# Altium PCB AD-FMComms3_revA.PcbDoc (part 1 of 5) (continued)
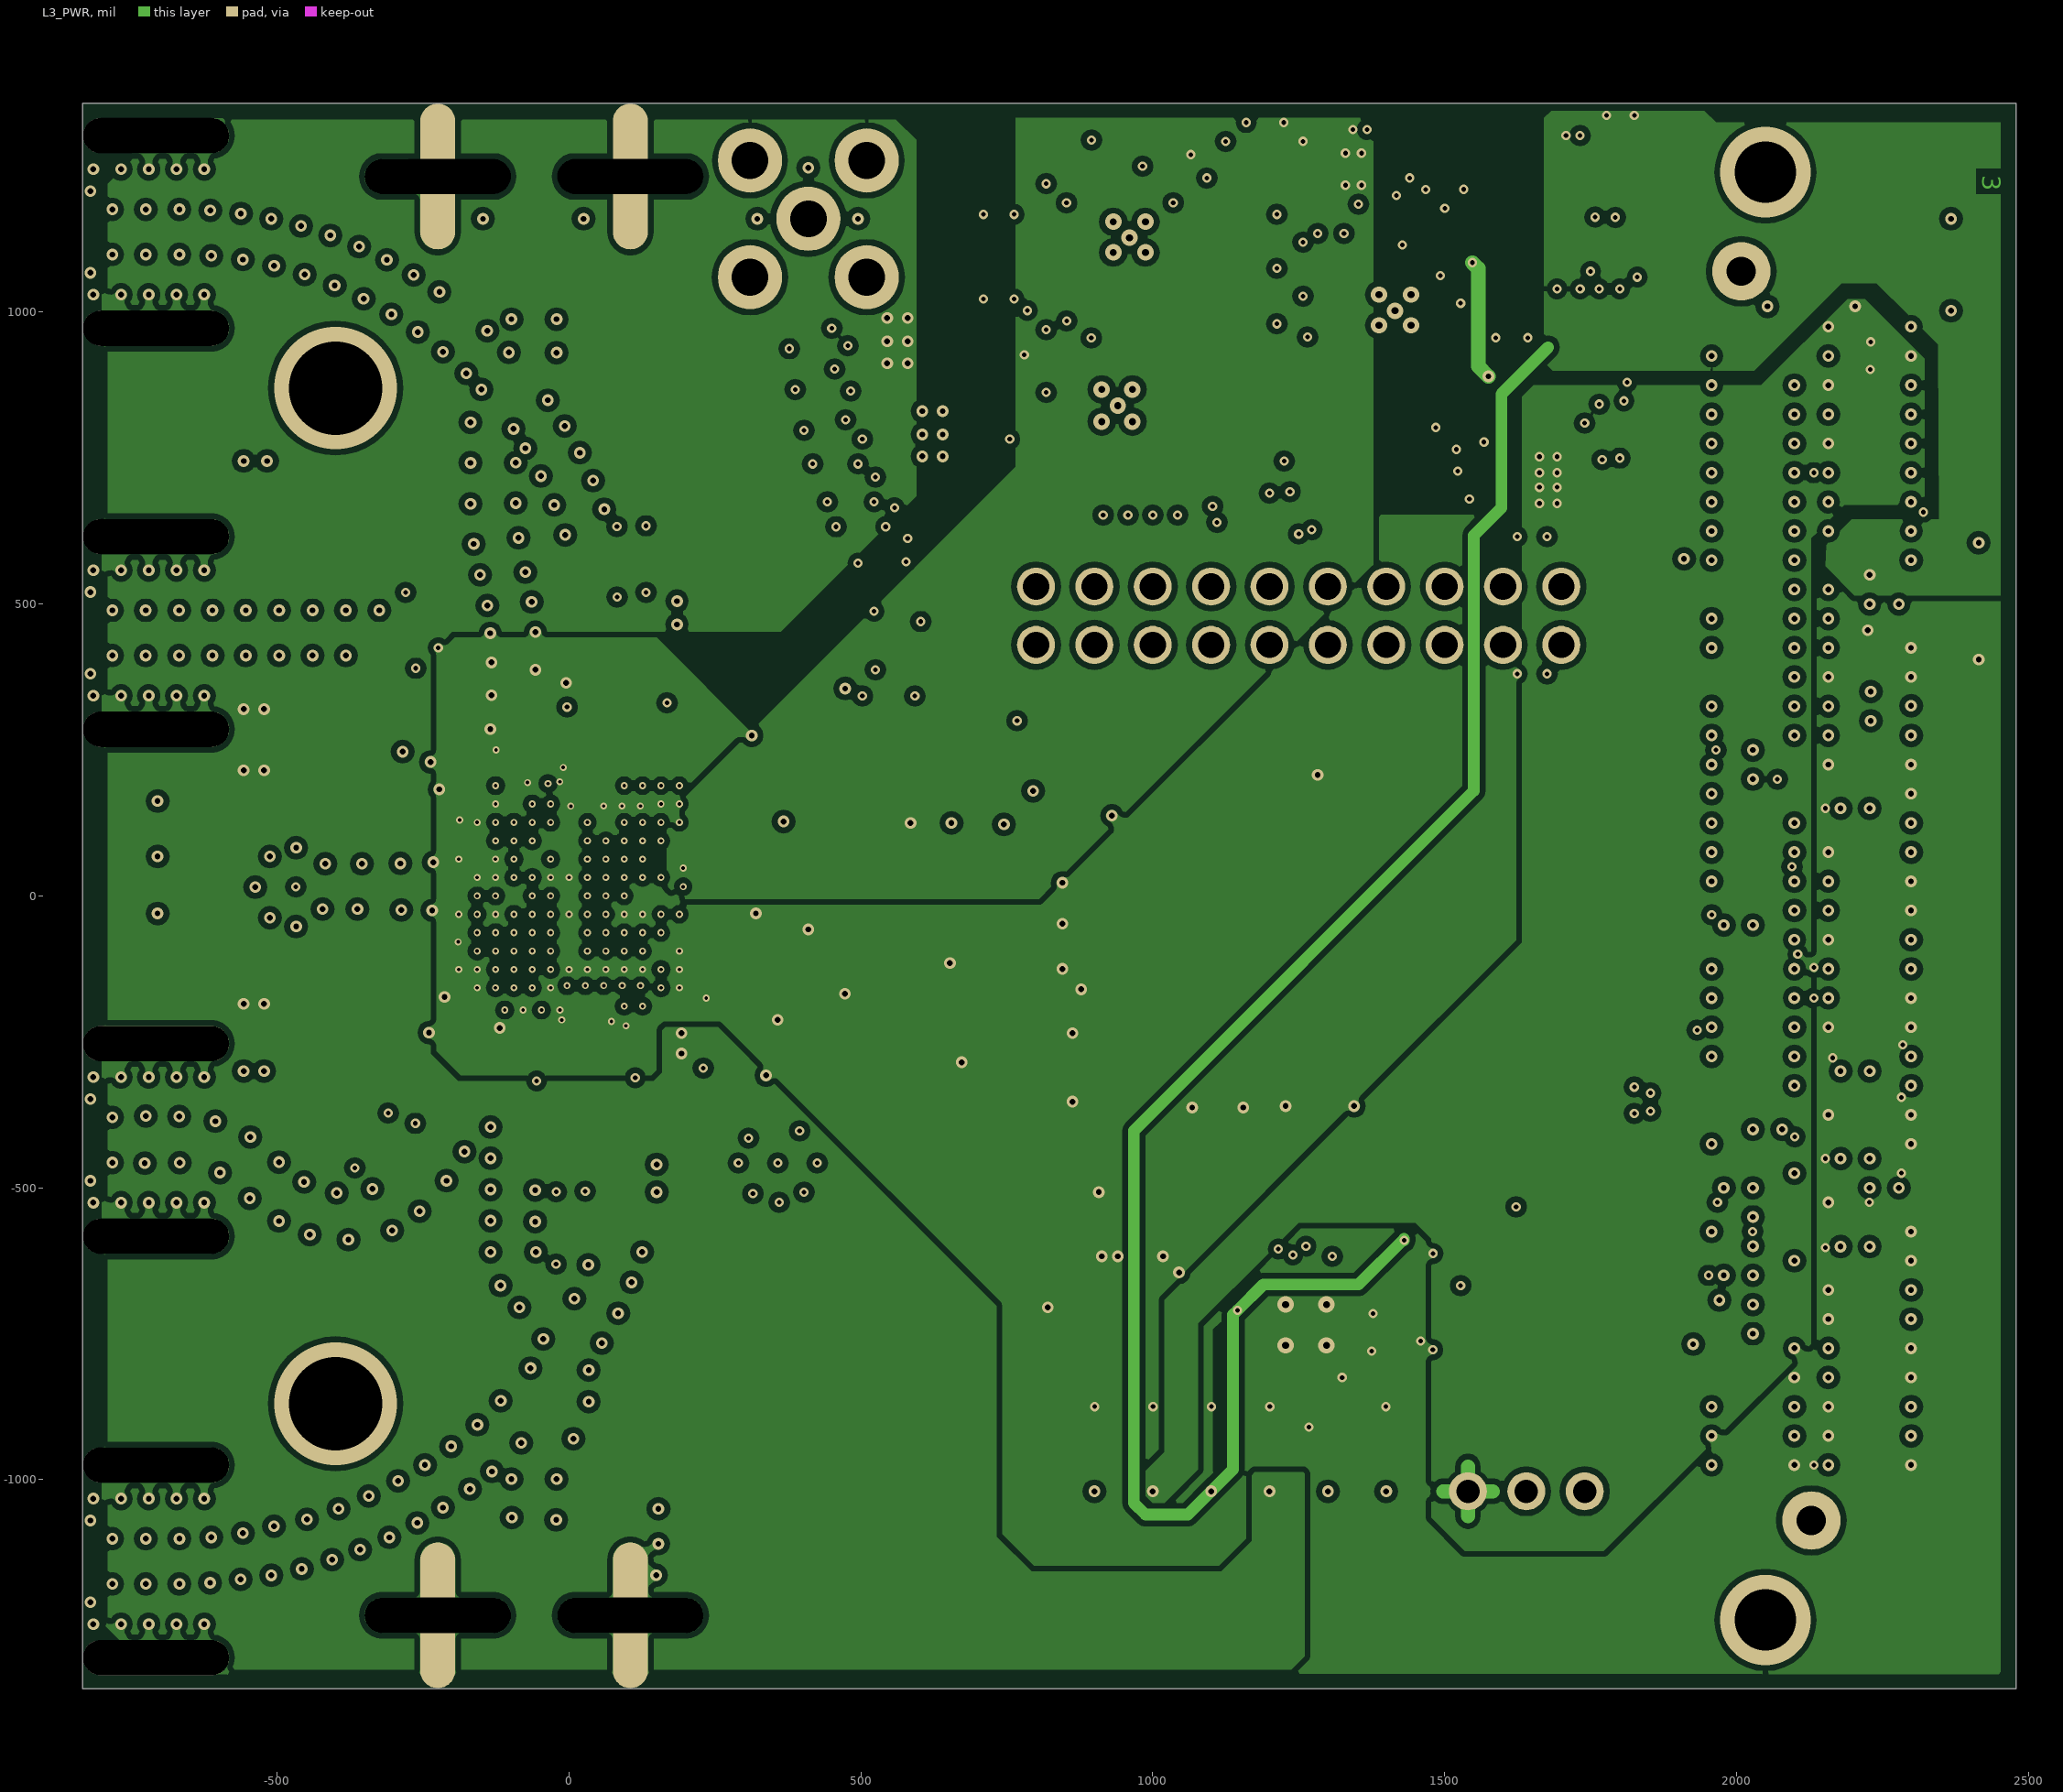
[diagram p3: L3_PWR]
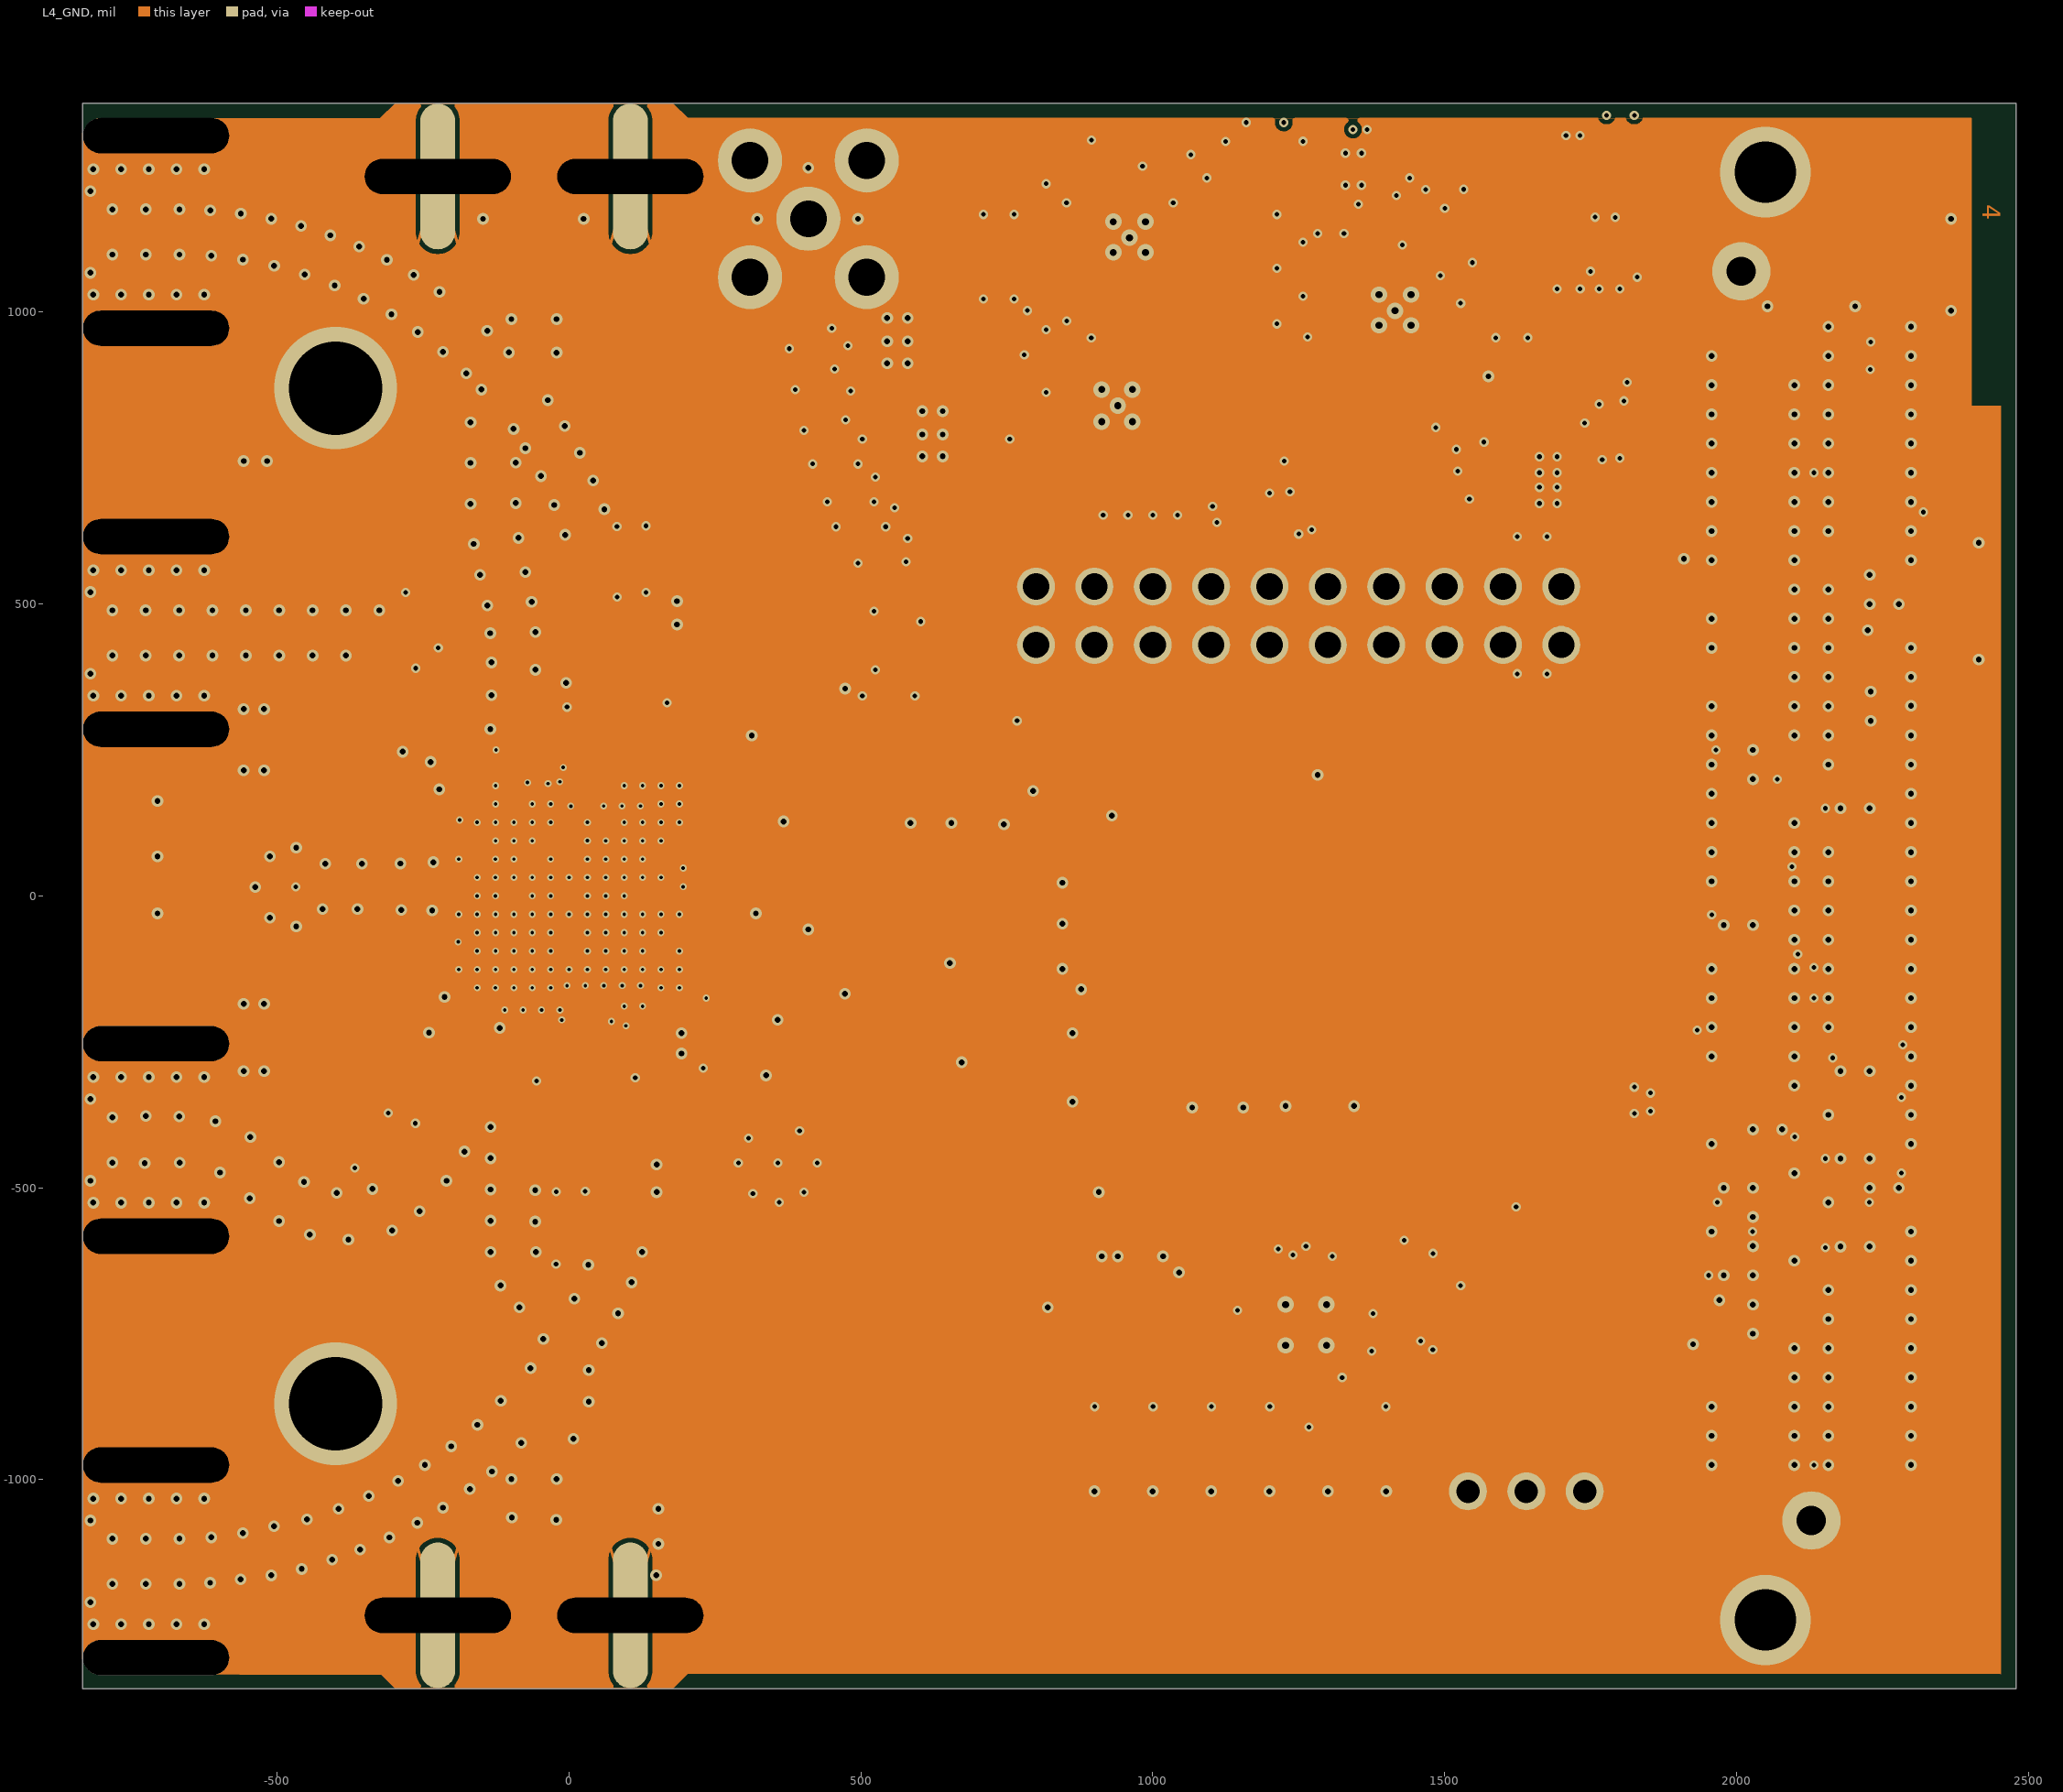
[diagram p4: L4_GND]
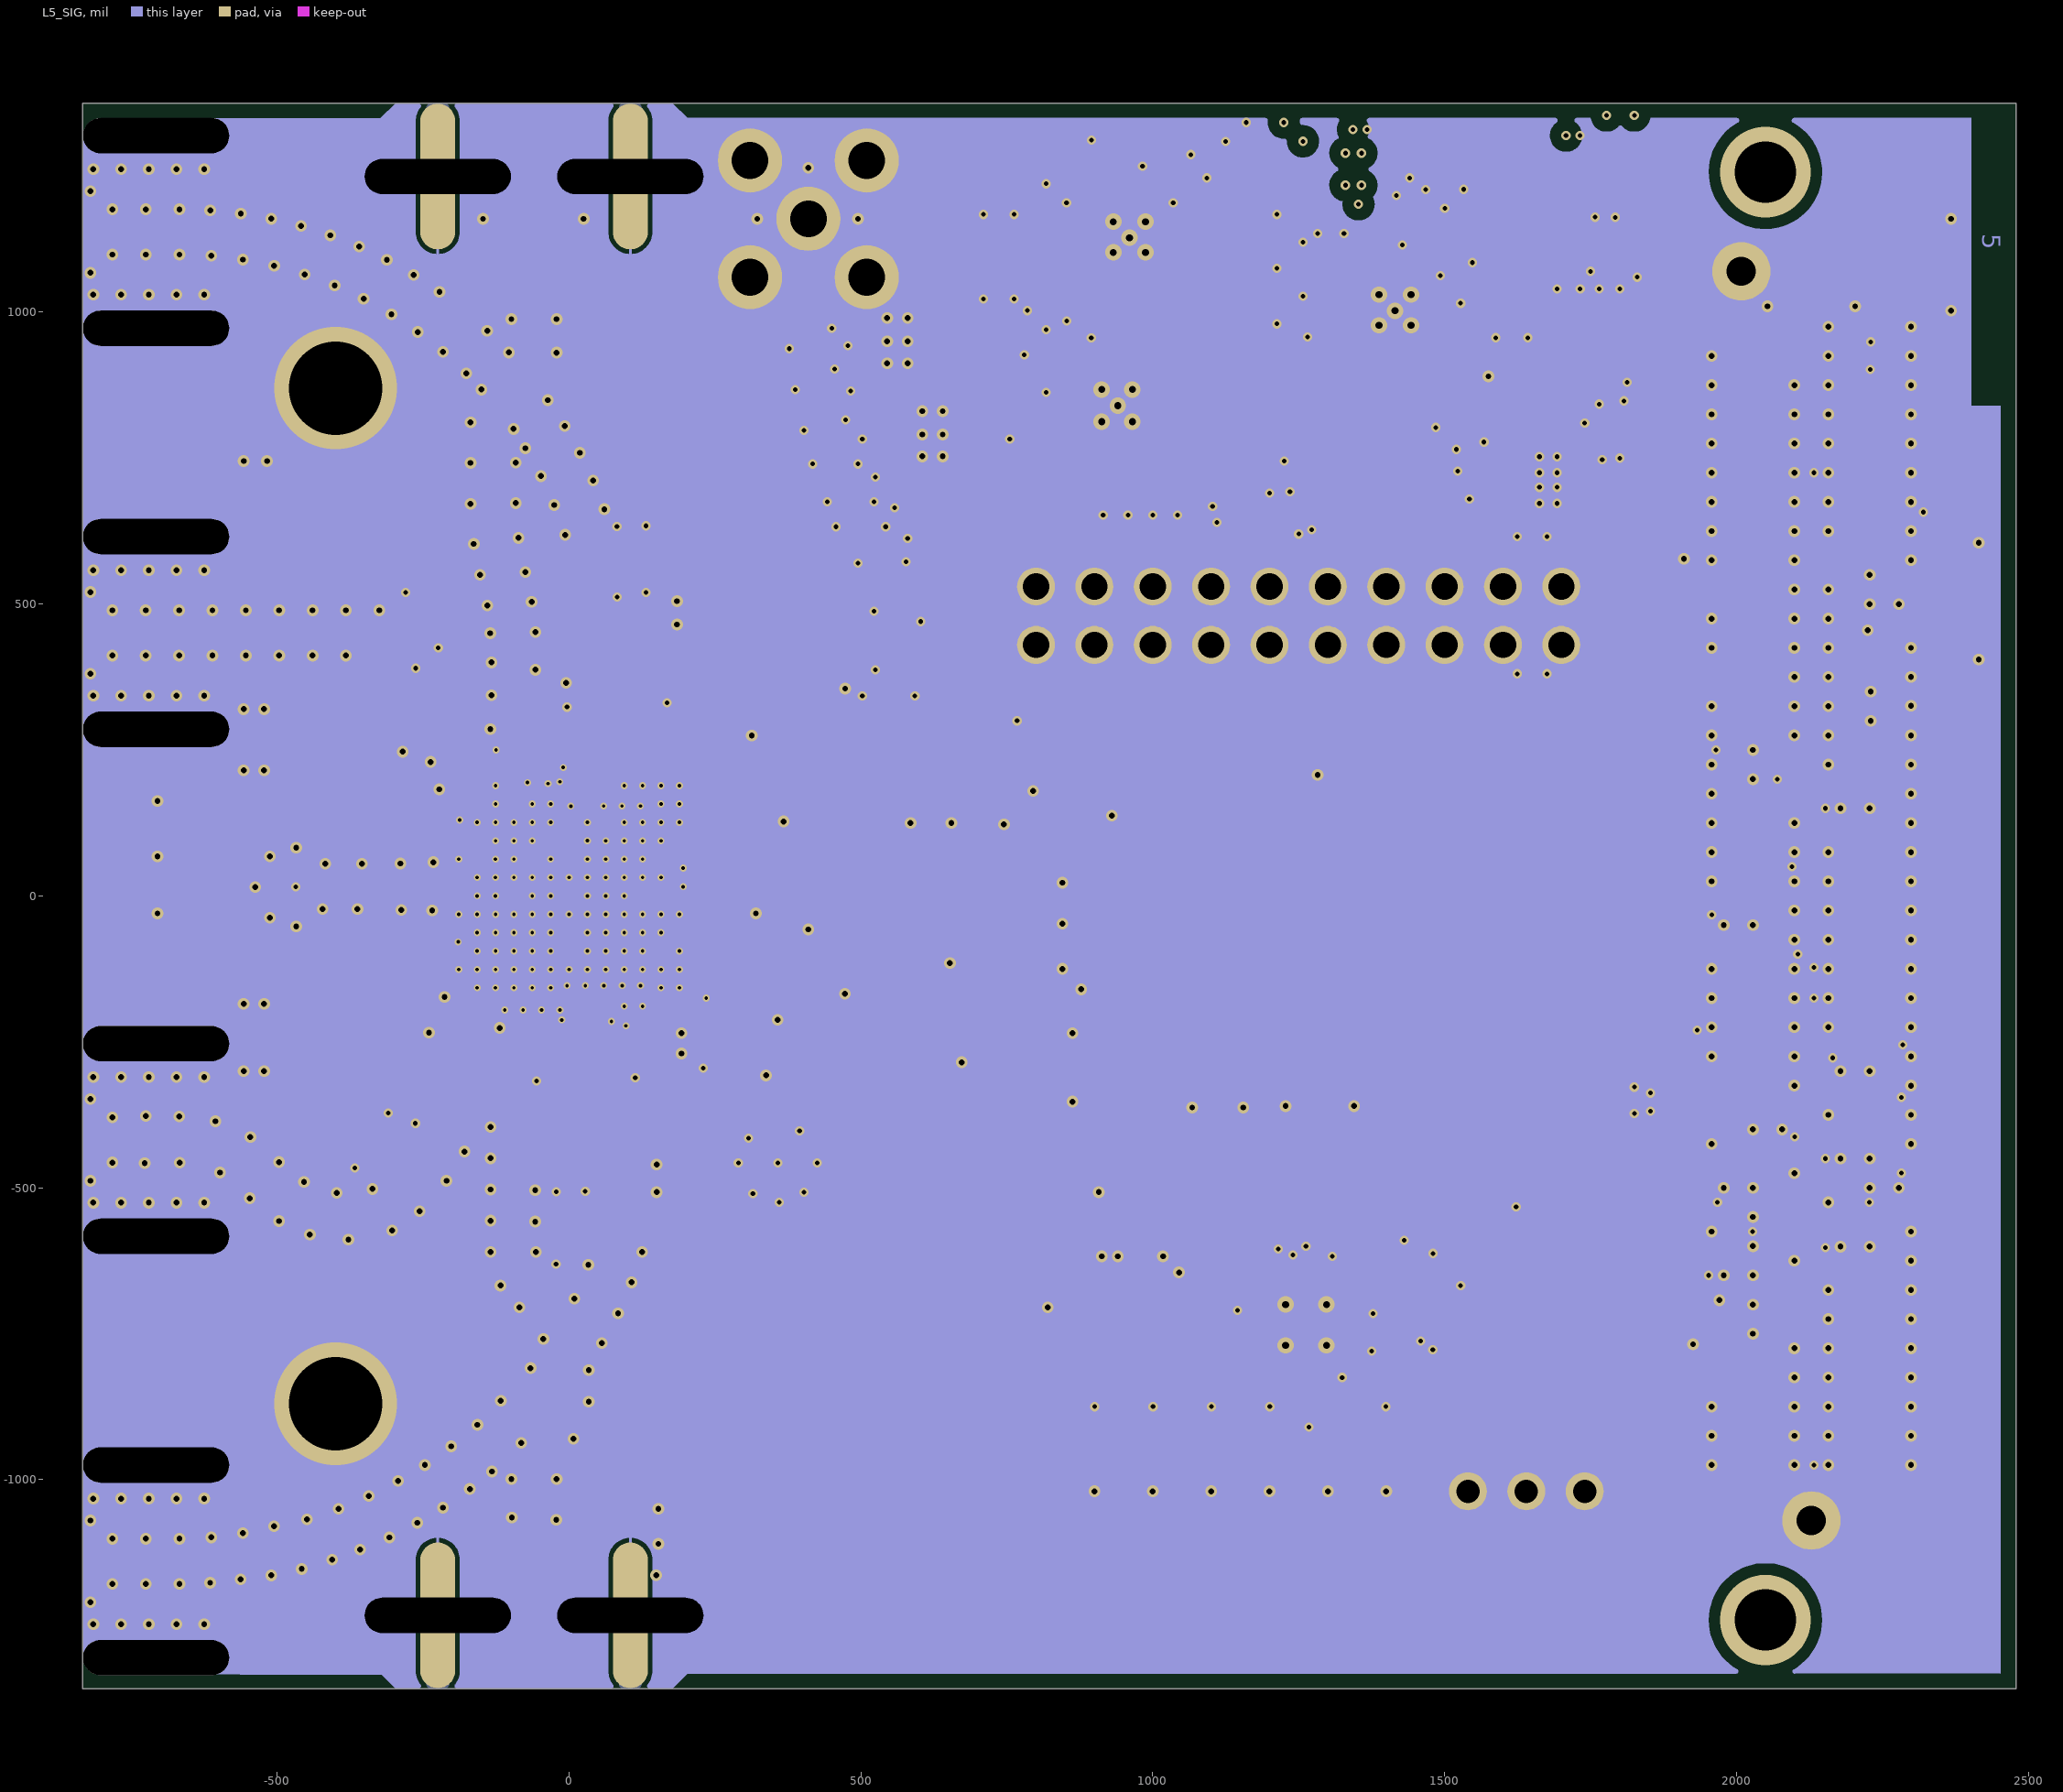
[diagram p5: L5_SIG]
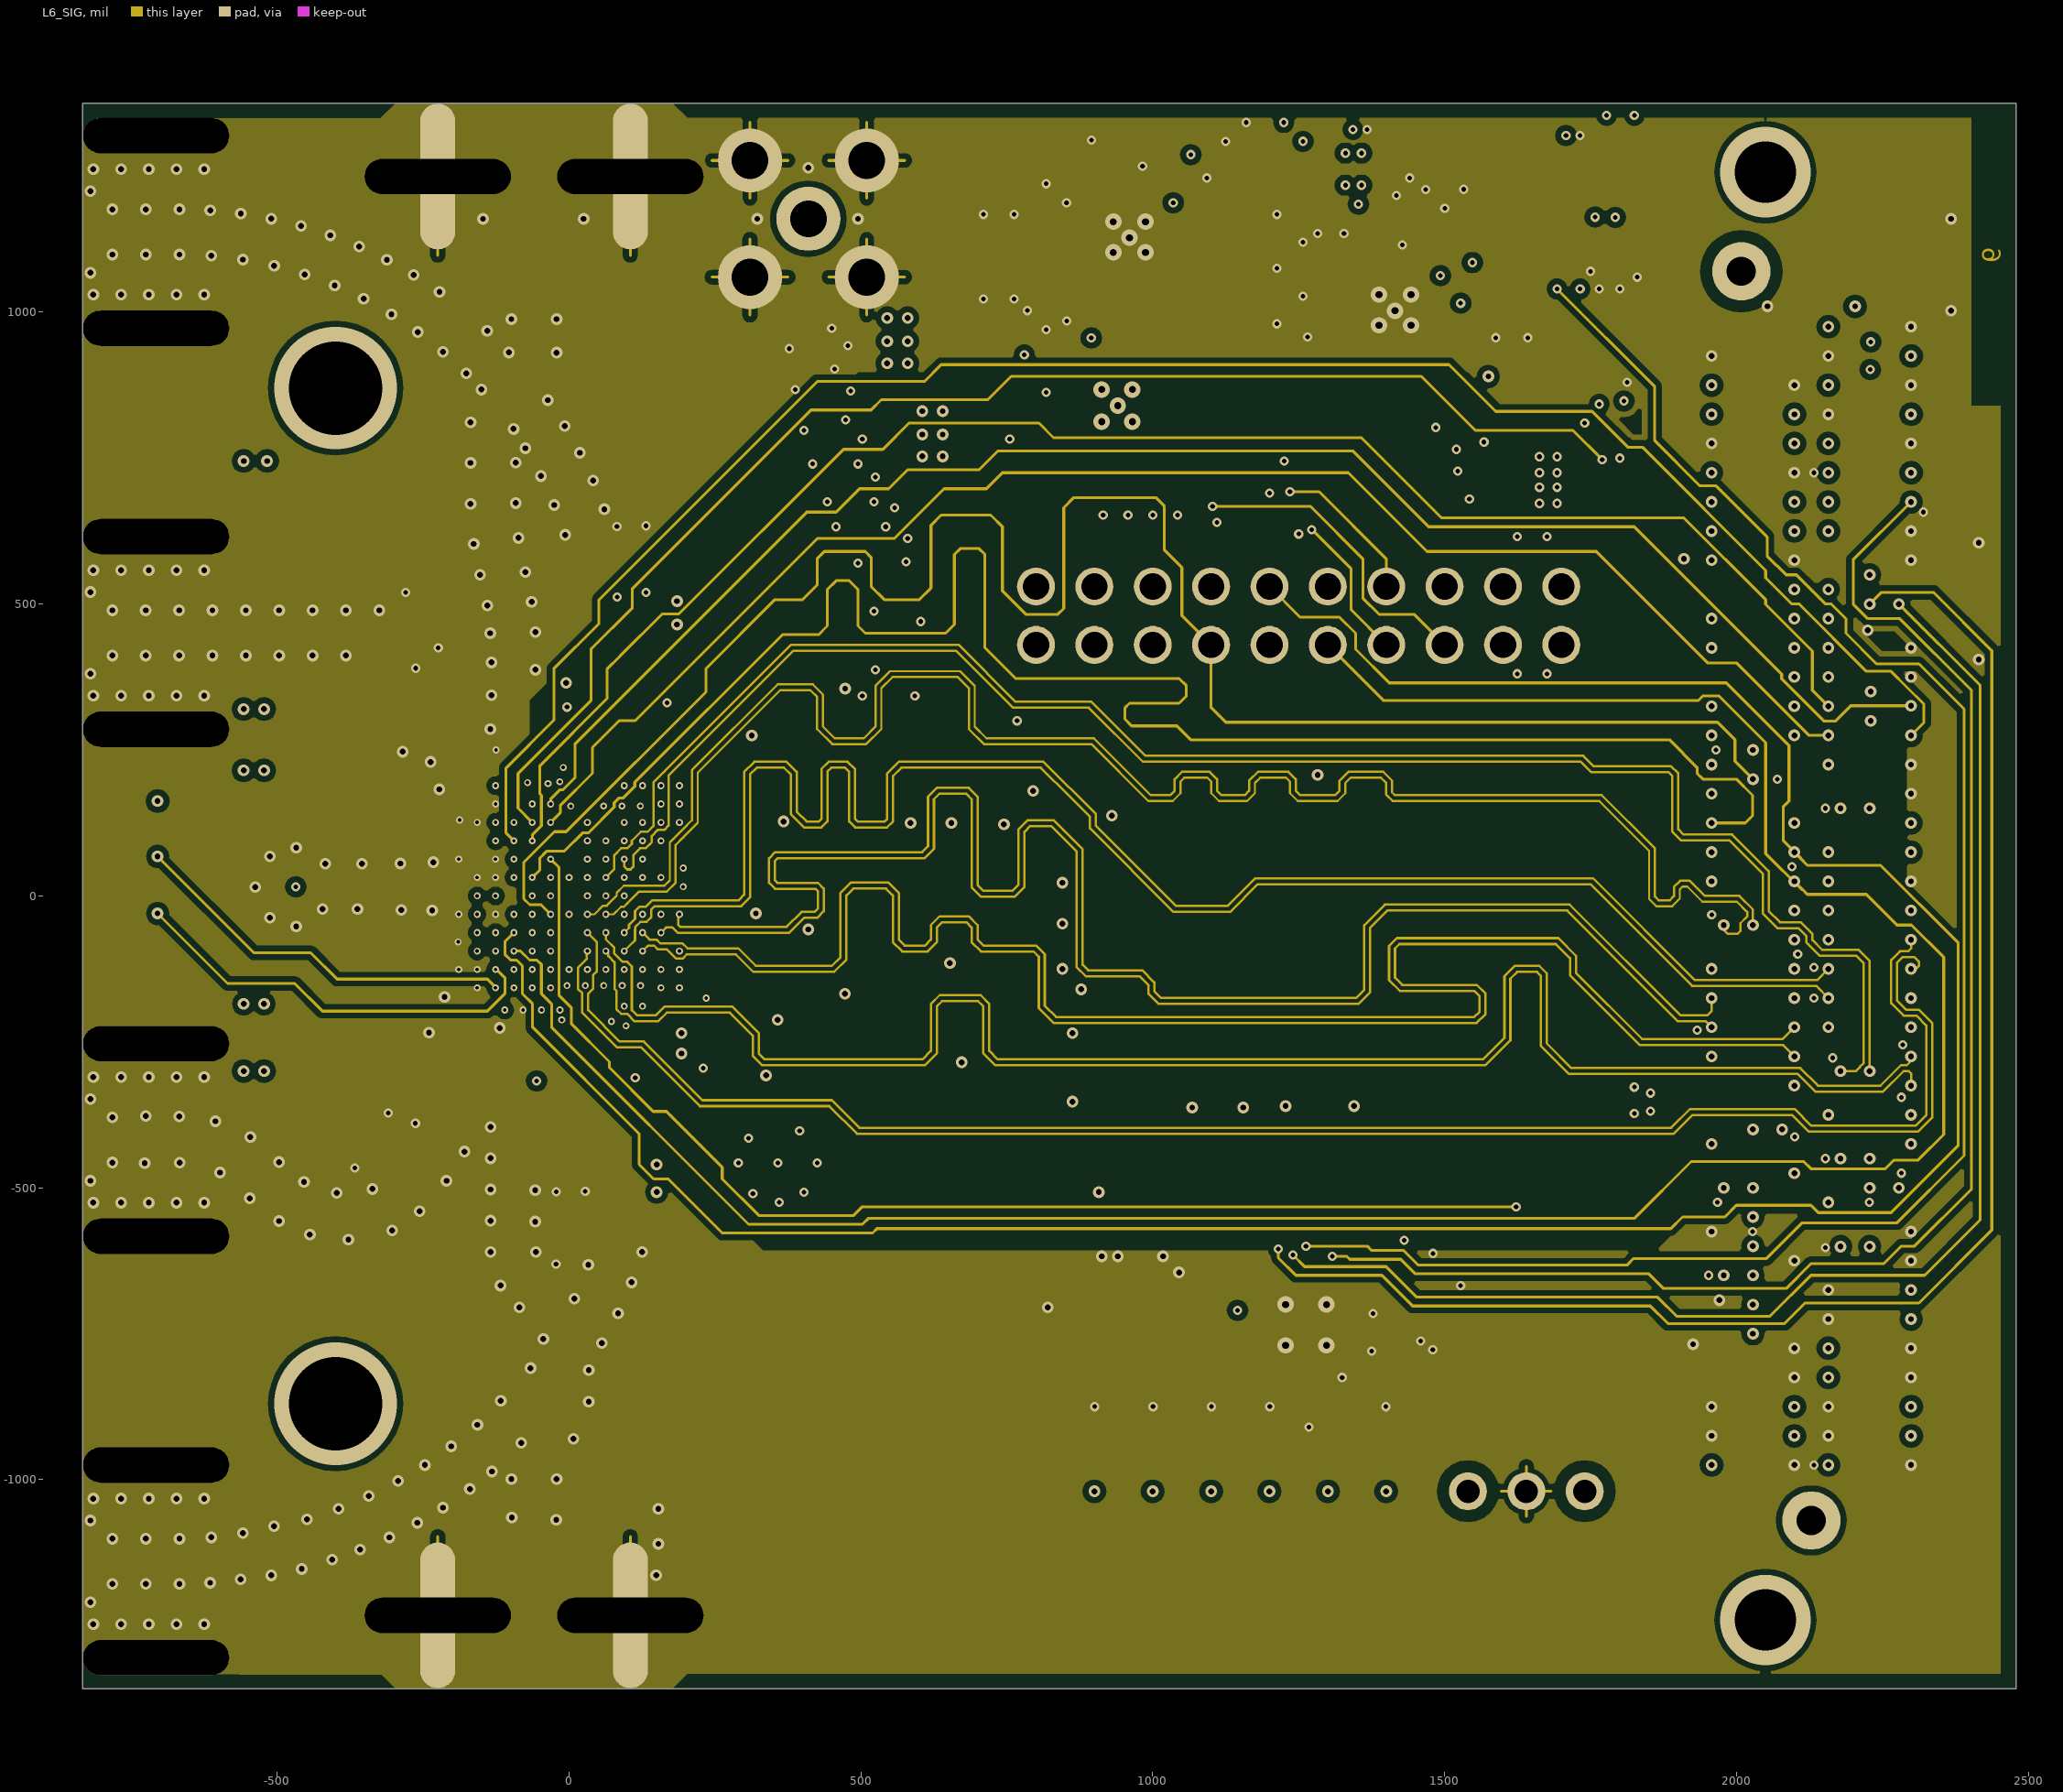
[diagram p6: L6_SIG]